# Altium PCB UmTRXv2.PcbDoc (part 16 of 25)
Units mm, origin at the board's own origin, x right, y up, seen from the top; angles counter-clockwise.
Board outline 159.5 x 99.5 mm, 6 copper layers (Top Layer, GND, MidLayer1, Mid-Layer 2, InternalPlane2, Bottom Layer), stack 1.526 mm thick; 708 components, 578 nets, 2802 pads, 1408 vias.
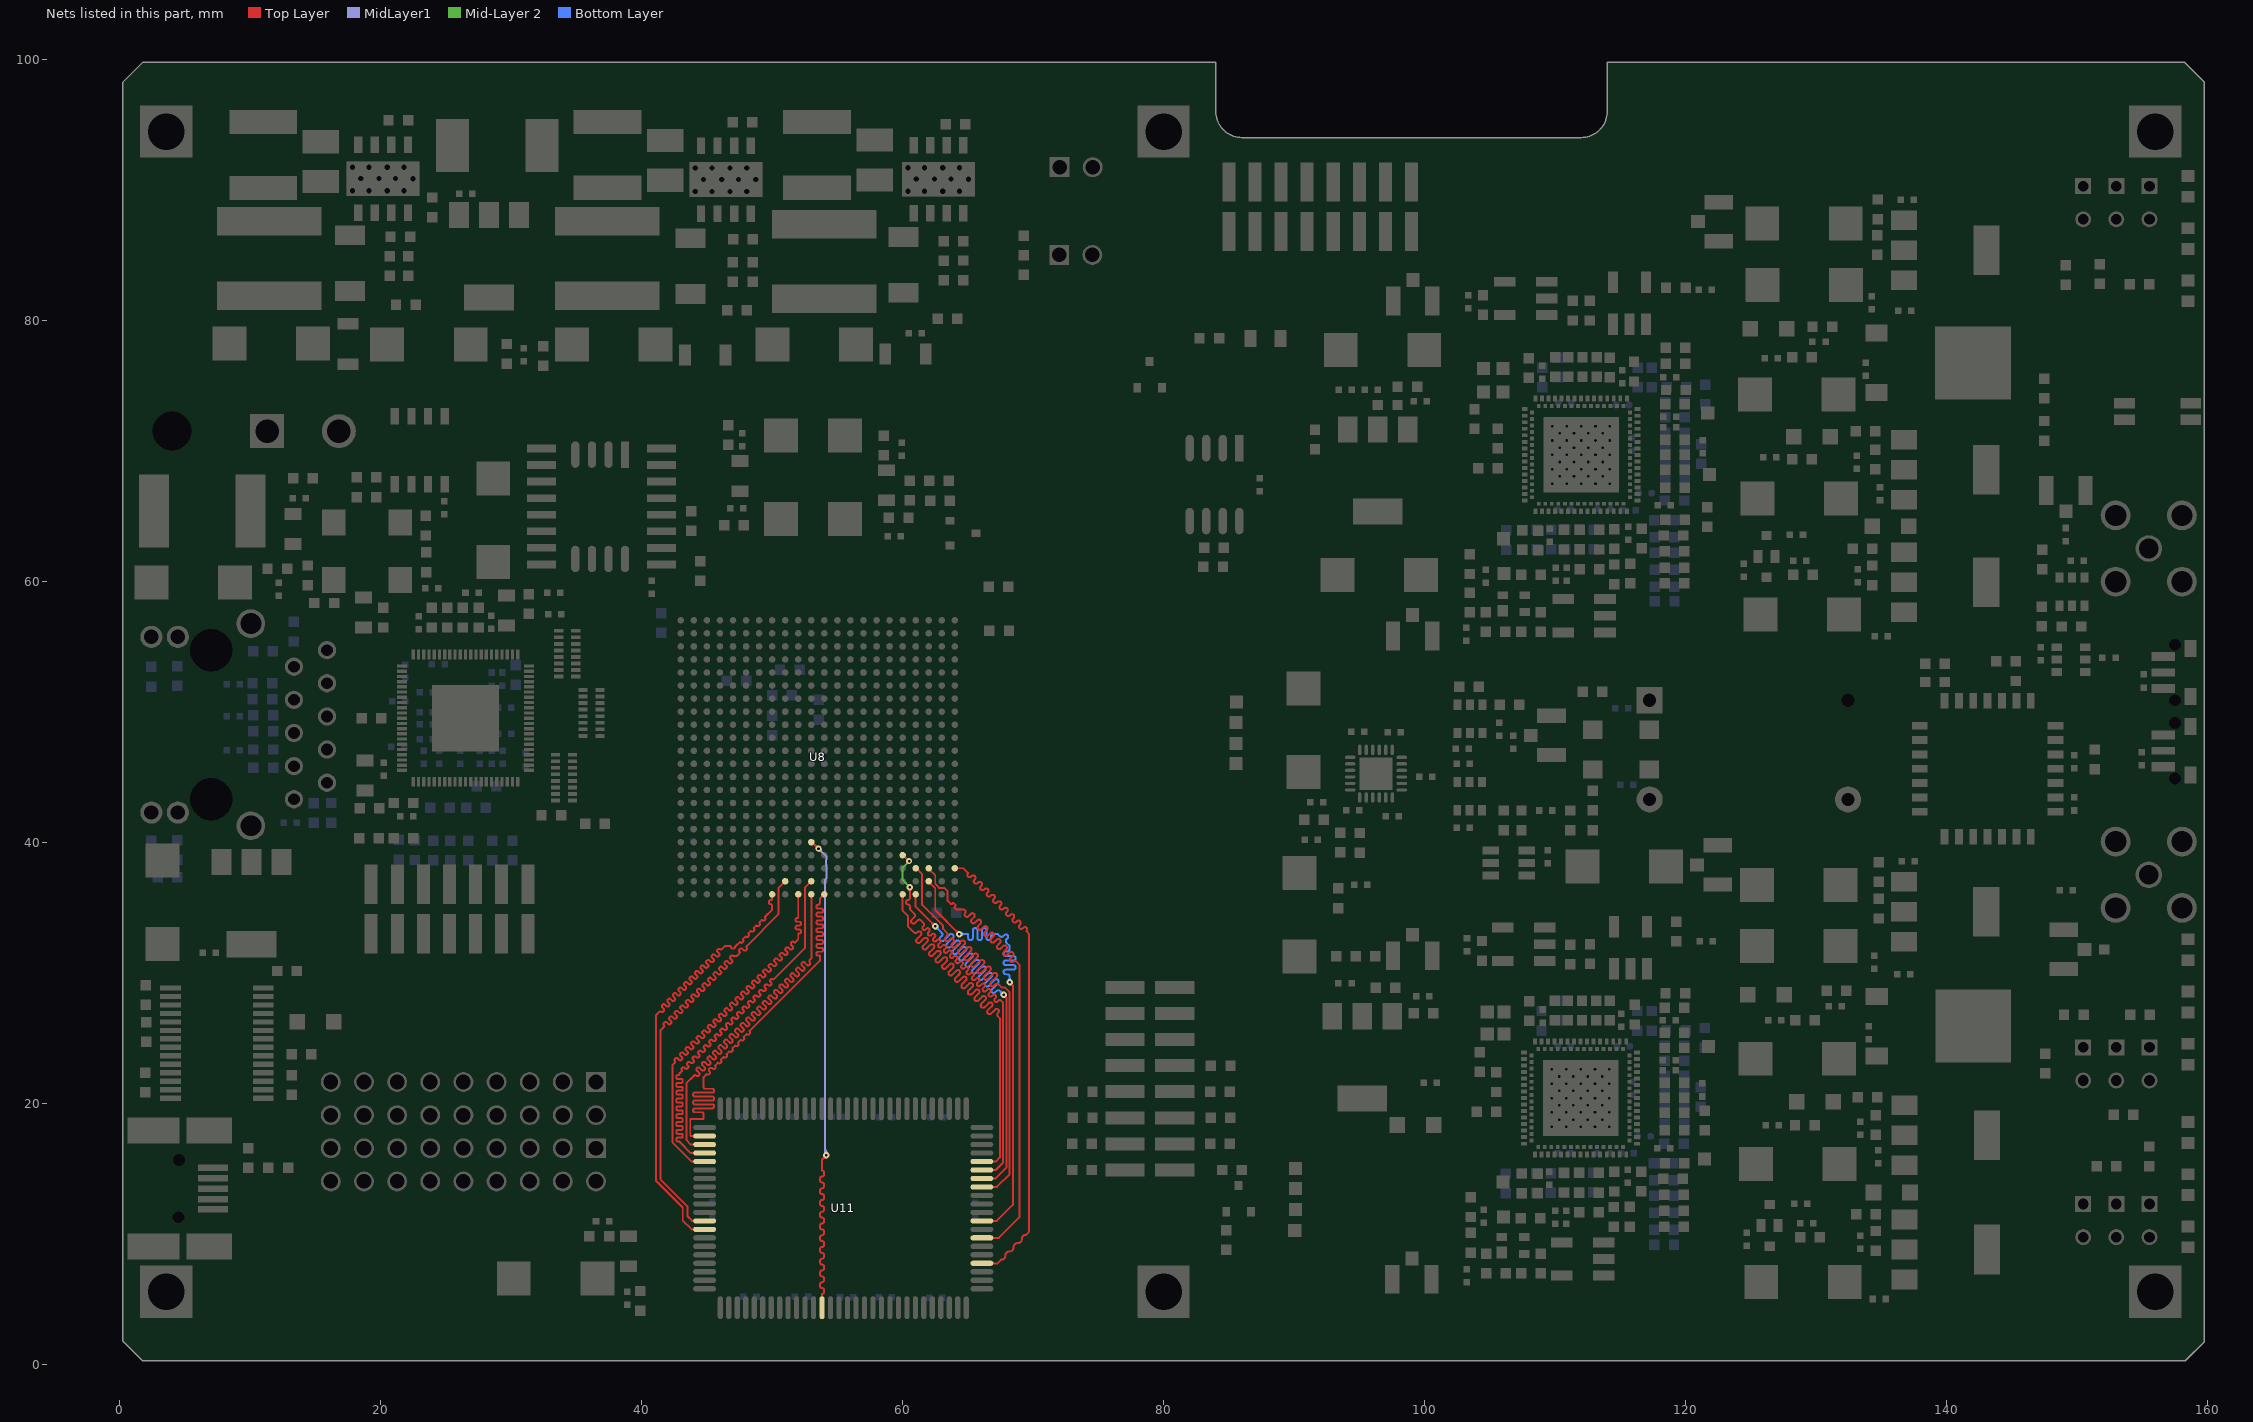
[diagram p20: the nets of this part, all layers, seen from the top]

## Via types
v1: diameter 0.5, hole 0.2, Top Layer to Bottom Layer, tented both sides, 441 vias
v2: diameter 0.45, hole 0.2, Top Layer to Bottom Layer, tented both sides, 429 vias
v3: diameter 0.7, hole 0.3, Top Layer to Bottom Layer, tented both sides, 258 vias
v4: diameter 0.4, hole 0.2, Top Layer to Bottom Layer, tented both sides, 197 vias
v5: diameter 0.8, hole 0.3, Top Layer to Bottom Layer, tented both sides, 61 vias
v6: diameter 0.6, hole 0.25, Top Layer to Bottom Layer, tented both sides, 16 vias
v7: diameter 0.6, hole 0.3, Top Layer to Bottom Layer, tented both sides, 4 vias
v8: diameter 1, hole 0.5, Top Layer to Bottom Layer, tented both sides, 2 vias

## Nets (pads, with @x,y where several pads share a name; then routed paths per layer and width w, separated by ;. In a path a pad name is that pad's centre, name@x,y a point inside that pad or via, vN(x,y) a via of type N, cw(c..) or ccw(c..) an arc to the next point about the centre after c; other vN are vias at no path point) (continued)
RAM_A14: U8.A13 U11.35 | length 39.9
  Top Layer w0.15: 42.549,23.382 ccw(c42.634,23.297) 42.549,23.213 cw(c42.493,23.156) 42.549,23.099 42.35,22.9 42.35,17 43.825,15.525 U11.35@44.825,15.525 ; 42.549,23.382 42.592,23.425 cw(c42.677,23.34) 42.761,23.425 42.818,23.368 42.875,23.312 ccw(c42.96,23.396) 43.044,23.311 43.087,23.354 ccw(c43.002,23.439) 43.087,23.524 42.974,23.637 ; 42.974,23.637 cw(c43.059,23.722) 42.974,23.806 ; 42.974,23.807 43.016,23.849 cw(c43.101,23.764) 43.186,23.849 43.242,23.792 43.299,23.736 ccw(c43.384,23.821) 43.469,23.736 43.511,23.778 ccw(c43.426,23.863) 43.511,23.948 43.455,24.005 43.398,24.061 cw(c43.483,24.146) 43.398,24.231 ; 43.398,24.231 43.44,24.273 cw(c43.525,24.188) 43.61,24.273 43.667,24.217 43.723,24.16 ccw(c43.808,24.245) 43.893,24.16 43.935,24.203 ccw(c43.851,24.287) 43.935,24.372 43.879,24.429 43.822,24.485 cw(c43.907,24.57) 43.822,24.655 43.865,24.698 cw(c43.95,24.613) 44.034,24.698 44.091,24.641 44.148,24.584 ccw(c44.232,24.669) 44.317,24.584 44.36,24.627 ; 44.36,24.627 ccw(c44.275,24.712) 44.36,24.797 44.303,24.853 44.247,24.91 cw(c44.331,24.995) 44.246,25.079 44.289,25.122 cw(c44.374,25.037) 44.459,25.122 44.515,25.065 44.572,25.009 ccw(c44.657,25.094) 44.741,25.009 44.784,25.051 ; 44.784,25.051 ccw(c44.699,25.136) 44.784,25.221 44.671,25.334 cw(c44.756,25.419) 44.671,25.504 44.713,25.546 cw(c44.798,25.461) 44.883,25.546 44.94,25.49 44.996,25.433 ccw(c45.081,25.518) 45.166,25.433 ; 45.166,25.433 45.208,25.475 ccw(c45.123,25.56) 45.208,25.645 45.152,25.702 45.095,25.758 cw(c45.18,25.843) 45.095,25.928 45.137,25.97 cw(c45.222,25.885) 45.307,25.97 45.364,25.914 45.42,25.857 ccw(c45.505,25.942) 45.59,25.857 ; 45.59,25.857 45.632,25.9 ccw(c45.548,25.984) 45.633,26.069 45.576,26.126 45.519,26.182 cw(c45.604,26.267) 45.519,26.352 45.562,26.395 cw(c45.647,26.31) 45.731,26.395 45.788,26.338 45.845,26.281 ccw(c45.929,26.366) 46.014,26.281 46.057,26.324 ccw(c45.972,26.409) 46.057,26.494 46,26.55 45.944,26.607 cw(c46.028,26.692) 45.943,26.776 45.986,26.819 ; 45.986,26.819 cw(c46.071,26.734) 46.156,26.819 46.212,26.762 46.269,26.706 ccw(c46.354,26.791) 46.438,26.706 46.481,26.748 ccw(c46.396,26.833) 46.481,26.918 46.424,26.974 46.368,27.031 cw(c46.453,27.116) 46.368,27.201 46.41,27.243 ; 46.41,27.243 cw(c46.495,27.158) 46.58,27.243 46.637,27.187 46.693,27.13 ccw(c46.778,27.215) 46.863,27.13 46.905,27.172 ccw(c46.82,27.257) 46.905,27.342 46.849,27.399 46.792,27.455 cw(c46.877,27.54) 46.792,27.625 46.835,27.667 cw(c46.919,27.583) 47.004,27.667 47.061,27.611 47.117,27.554 ccw(c47.202,27.639) 47.287,27.554 47.33,27.597 ccw(c47.245,27.682) 47.33,27.766 ; 47.33,27.766 47.273,27.823 47.216,27.88 cw(c47.301,27.964) 47.216,28.049 47.259,28.092 cw(c47.344,28.007) 47.428,28.092 47.542,27.979 ; 47.542,27.978 ccw(c47.627,28.063) 47.711,27.978 ; 47.711,27.979 47.754,28.021 ccw(c47.669,28.106) 47.754,28.191 47.697,28.247 47.641,28.304 cw(c47.726,28.389) 47.64,28.473 47.683,28.516 cw(c47.768,28.431) 47.853,28.516 47.909,28.459 47.966,28.403 ccw(c48.051,28.488) 48.135,28.403 ; 48.136,28.403 48.178,28.445 ; 48.178,28.445 ccw(c48.093,28.53) 48.178,28.615 48.121,28.671 48.065,28.728 cw(c48.15,28.813) 48.065,28.898 48.107,28.94 cw(c48.192,28.855) 48.277,28.94 48.334,28.884 48.39,28.827 ccw(c48.475,28.912) 48.56,28.827 48.602,28.869 ; 48.602,28.87 ccw(c48.517,28.954) 48.602,29.039 48.546,29.096 48.489,29.152 cw(c48.574,29.237) 48.489,29.322 48.532,29.364 cw(c48.616,29.28) 48.701,29.364 48.758,29.308 48.814,29.251 ccw(c48.899,29.336) 48.984,29.251 49.027,29.294 ccw(c48.942,29.379) 49.027,29.463 48.97,29.52 48.913,29.577 cw(c48.998,29.661) 48.913,29.746 48.956,29.789 cw(c49.041,29.704) 49.125,29.789 49.239,29.676 ccw(c49.324,29.76) 49.408,29.675 49.451,29.718 ccw(c49.366,29.803) 49.451,29.888 49.394,29.944 49.338,30.001 ; 49.338,30.001 cw(c49.423,30.086) 49.338,30.171 49.38,30.213 cw(c49.465,30.128) 49.55,30.213 49.606,30.156 49.663,30.1 ccw(c49.748,30.185) 49.833,30.1 49.875,30.142 ccw(c49.79,30.227) 49.875,30.312 49.819,30.369 49.762,30.425 cw(c49.847,30.51) 49.762,30.595 ; 49.762,30.595 49.804,30.637 cw(c49.889,30.552) 49.974,30.637 ; 49.974,30.637 50.031,30.581 50.087,30.524 ccw(c50.172,30.609) 50.257,30.524 50.299,30.567 ccw(c50.215,30.651) 50.299,30.736 50.243,30.793 50.186,30.849 cw(c50.271,30.934) 50.186,31.019 50.229,31.062 cw(c50.314,30.977) 50.398,31.062 50.455,31.005 50.512,30.948 ccw(c50.596,31.033) 50.681,30.948 50.724,30.991 ; 50.724,30.991 ccw(c50.639,31.076) 50.724,31.16 50.667,31.217 50.61,31.274 cw(c50.695,31.358) 50.61,31.443 50.653,31.486 cw(c50.738,31.401) 50.823,31.486 50.879,31.429 50.936,31.373 ccw(c51.021,31.457) 51.105,31.372 51.148,31.415 ; 51.148,31.415 ccw(c51.063,31.5) 51.148,31.585 51.091,31.641 51.035,31.698 cw(c51.12,31.783) 51.035,31.868 51.077,31.91 cw(c51.162,31.825) 51.247,31.91 51.303,31.853 51.36,31.797 ccw(c51.445,31.882) 51.53,31.797 ; 51.53,31.797 51.572,31.839 ccw(c51.487,31.924) 51.572,32.009 51.516,32.066 51.459,32.122 cw(c51.544,32.207) 51.459,32.292 51.501,32.334 cw(c51.586,32.249) 51.671,32.334 ccw(c51.728,32.391) 51.784,32.334 52,32.55 52,32.92 cw(c52.08,32.92) 52.08,33 ccw(c52.08,33.12) 52.2,33.12 52.2,33.18 ccw(c52.08,33.18) 52.08,33.3 51.92,33.3 cw(c51.92,33.42) 51.8,33.42 51.8,33.48 cw(c51.92,33.48) 51.92,33.6 52.08,33.6 ccw(c52.08,33.72) 52.2,33.72 52.2,33.78 ccw(c52.08,33.78) 52.08,33.9 51.92,33.9 cw(c51.92,34.02) 51.8,34.02 51.8,34.08 cw(c51.92,34.08) 51.92,34.2 51.95,34.2 ccw(c51.95,34.25) 52,34.25 U8.A13@52,36
RAM_A15: U8.B12 U11.34 | length 39.6
  Top Layer w0.15: 43.552,22.709 43.509,22.667 cw(c43.424,22.752) 43.339,22.667 43.297,22.709 ccw(c43.212,22.625) 43.127,22.709 43.085,22.667 ccw(c43.17,22.582) 43.085,22.497 cw(c43.064,22.476) 43.085,22.455 42.9,22.27 cw(c42.78,22.27) 42.78,22.15 42.77,22.15 ccw(c42.77,22.03) 42.65,22.03 42.65,21.97 ccw(c42.77,21.97) 42.77,21.85 43.03,21.85 cw(c43.03,21.73) 43.15,21.73 43.15,21.67 cw(c43.03,21.67) 43.03,21.55 42.77,21.55 ccw(c42.77,21.43) 42.65,21.43 42.65,21.37 ccw(c42.77,21.37) 42.77,21.25 43.03,21.25 cw(c43.03,21.13) 43.15,21.13 43.15,21.07 cw(c43.03,21.07) 43.03,20.95 42.77,20.95 ccw(c42.77,20.83) 42.65,20.83 42.65,20.77 ccw(c42.77,20.77) 42.77,20.65 43.03,20.65 cw(c43.03,20.53) 43.15,20.53 43.15,20.47 cw(c43.03,20.47) 43.03,20.35 42.77,20.35 ccw(c42.77,20.23) 42.65,20.23 42.65,20.17 ccw(c42.77,20.17) 42.77,20.05 43.03,20.05 cw(c43.03,19.93) 43.15,19.93 43.15,19.87 cw(c43.03,19.87) 43.03,19.75 42.77,19.75 ccw(c42.77,19.63) 42.65,19.63 42.65,19.57 ccw(c42.77,19.57) 42.77,19.45 43.03,19.45 cw(c43.03,19.33) 43.15,19.33 43.15,19.27 cw(c43.03,19.27) 43.03,19.15 42.77,19.15 ccw(c42.77,19.03) 42.65,19.03 42.65,18.97 ccw(c42.77,18.97) 42.77,18.85 43.03,18.85 cw(c43.03,18.73) 43.15,18.73 43.15,18.67 cw(c43.03,18.67) 43.03,18.55 42.77,18.55 ccw(c42.77,18.43) 42.65,18.43 42.65,18.37 ccw(c42.77,18.37) 42.77,18.25 43.03,18.25 cw(c43.03,18.13) 43.15,18.13 43.15,18.07 cw(c43.03,18.07) 43.03,17.95 42.77,17.95 ccw(c42.77,17.83) 42.65,17.83 42.65,17.77 ccw(c42.77,17.77) 42.77,17.65 43.03,17.65 cw(c43.03,17.53) 43.15,17.53 43.15,17.47 cw(c43.03,17.47) 43.03,17.35 42.77,17.35 ccw(c42.77,17.23) 42.65,17.23 42.65,17.17 ccw(c42.77,17.17) 42.77,17.05 42.9,17.05 43.775,16.175 U11.34@44.825,16.175 ; 43.552,23.134 43.509,23.091 ccw(c43.594,23.006) 43.509,22.922 43.552,22.879 cw(c43.467,22.794) 43.552,22.71 ; 43.552,23.134 cw(c43.636,23.049) 43.721,23.134 43.764,23.091 ccw(c43.849,23.176) 43.933,23.091 43.976,23.134 ccw(c43.891,23.219) 43.976,23.303 43.933,23.346 cw(c44.018,23.431) 43.933,23.515 43.976,23.558 cw(c44.061,23.473) 44.145,23.558 44.188,23.515 ccw(c44.273,23.6) 44.357,23.515 44.4,23.558 ccw(c44.315,23.643) 44.4,23.727 44.379,23.749 44.358,23.77 cw(c44.442,23.855) 44.358,23.94 44.4,23.982 cw(c44.485,23.897) 44.57,23.982 44.612,23.94 ccw(c44.697,24.025) 44.782,23.94 44.824,23.982 ccw(c44.739,24.067) 44.824,24.152 44.782,24.194 cw(c44.867,24.279) 44.782,24.364 44.824,24.406 cw(c44.909,24.322) 44.994,24.406 45.036,24.364 ccw(c45.121,24.449) 45.206,24.364 45.249,24.406 ccw(c45.164,24.491) 45.249,24.576 ; 45.206,24.788 ccw(c45.291,24.703) 45.206,24.619 45.249,24.576 ; 45.206,24.788 45.249,24.831 cw(c45.333,24.746) 45.418,24.831 45.461,24.788 ccw(c45.546,24.873) 45.63,24.788 45.673,24.831 ccw(c45.588,24.916) 45.673,25 45.63,25.043 cw(c45.715,25.128) 45.63,25.212 45.673,25.255 cw(c45.758,25.17) 45.843,25.255 45.885,25.213 ccw(c45.97,25.297) 46.055,25.212 ; 46.055,25.213 46.097,25.255 ccw(c46.012,25.34) 46.097,25.425 46.076,25.446 46.055,25.467 cw(c46.14,25.552) 46.055,25.637 46.097,25.679 cw(c46.182,25.594) 46.267,25.679 46.309,25.637 ccw(c46.394,25.722) 46.479,25.637 46.521,25.679 ccw(c46.437,25.764) 46.521,25.849 46.479,25.891 cw(c46.564,25.976) 46.479,26.061 ; 46.479,26.061 46.521,26.104 cw(c46.606,26.019) 46.691,26.104 46.734,26.061 ccw(c46.818,26.146) 46.903,26.061 ; 46.903,26.485 ccw(c46.988,26.4) 46.903,26.316 46.946,26.273 cw(c46.861,26.188) 46.946,26.103 46.903,26.061 ; 46.903,26.485 46.946,26.528 cw(c47.03,26.443) 47.115,26.528 47.158,26.485 ccw(c47.243,26.57) 47.327,26.485 47.37,26.528 ccw(c47.285,26.613) 47.37,26.697 47.327,26.74 cw(c47.412,26.825) 47.327,26.909 47.37,26.952 cw(c47.455,26.867) 47.54,26.952 47.582,26.91 ccw(c47.667,26.994) 47.752,26.909 47.794,26.952 ccw(c47.709,27.037) 47.794,27.122 47.752,27.164 cw(c47.837,27.249) 47.752,27.334 47.794,27.376 cw(c47.879,27.291) 47.964,27.376 48.006,27.334 ccw(c48.091,27.419) 48.176,27.334 48.218,27.376 ccw(c48.134,27.461) 48.218,27.546 48.176,27.588 cw(c48.261,27.673) 48.176,27.758 48.218,27.801 ; 48.219,27.801 cw(c48.303,27.716) 48.388,27.801 48.431,27.758 ccw(c48.515,27.843) 48.6,27.758 48.643,27.801 ; 48.643,27.801 ccw(c48.558,27.885) 48.643,27.97 48.6,28.013 cw(c48.685,28.098) 48.6,28.182 48.643,28.225 cw(c48.728,28.14) 48.812,28.225 ; 48.812,28.225 48.834,28.204 48.855,28.182 ccw(c48.94,28.267) 49.025,28.182 49.067,28.225 ; 49.067,28.225 ccw(c48.982,28.31) 49.067,28.395 49.025,28.437 cw(c49.109,28.522) 49.024,28.607 49.067,28.649 cw(c49.152,28.564) 49.237,28.649 49.279,28.607 ccw(c49.364,28.692) 49.449,28.607 49.491,28.649 ccw(c49.406,28.734) 49.491,28.819 49.449,28.861 cw(c49.534,28.946) 49.449,29.031 49.491,29.073 cw(c49.576,28.988) 49.661,29.074 49.703,29.031 ccw(c49.788,29.116) 49.873,29.031 49.915,29.073 ; 49.915,29.498 49.873,29.455 ccw(c49.958,29.37) 49.873,29.285 49.915,29.243 cw(c49.831,29.158) 49.916,29.073 ; 49.916,29.498 cw(c50,29.413) 50.085,29.498 ccw(c50.106,29.519) 50.128,29.498 52.5,31.87 52.5,36.5 U8.B12@53,37
RAM_A16: U8.A12 U11.33 | length 40.5
  Top Layer w0.15: 44.358,22.104 cw(c44.273,22.189) 44.188,22.105 44.181,22.112 ccw(c44.097,22.027) 44.012,22.112 43.421,21.521 43.421,17.179 43.775,16.825 U11.33@44.825,16.825 ; 44.358,22.105 44.401,22.147 ccw(c44.316,22.232) 44.401,22.317 44.309,22.409 44.217,22.501 cw(c44.302,22.585) 44.217,22.67 44.259,22.713 cw(c44.344,22.628) 44.429,22.713 44.613,22.529 ccw(c44.698,22.614) 44.782,22.529 44.825,22.571 ccw(c44.74,22.656) 44.825,22.741 44.641,22.925 cw(c44.726,23.01) 44.641,23.094 44.683,23.137 cw(c44.768,23.052) 44.853,23.137 45.037,22.953 ccw(c45.122,23.038) 45.207,22.953 ; 45.108,23.561 45.065,23.519 ccw(c45.15,23.434) 45.065,23.349 45.249,23.165 ; 45.108,23.561 cw(c45.193,23.476) 45.277,23.561 ; 45.207,22.953 45.249,22.996 ccw(c45.164,23.08) 45.249,23.165 ; 45.277,23.561 45.369,23.469 45.461,23.377 ; 45.461,23.377 ccw(c45.546,23.462) 45.631,23.377 45.673,23.42 ccw(c45.589,23.505) 45.673,23.59 45.49,23.773 ; 45.489,23.774 cw(c45.574,23.858) 45.49,23.943 45.532,23.986 cw(c45.617,23.901) 45.702,23.986 ; 45.702,23.986 45.886,23.802 ccw(c45.97,23.887) 46.055,23.802 46.098,23.844 ccw(c46.013,23.929) 46.098,24.014 46.006,24.106 45.914,24.198 ; 45.914,24.198 cw(c45.999,24.283) 45.914,24.367 ; 45.914,24.367 45.956,24.41 cw(c46.041,24.325) 46.126,24.41 ; 46.126,24.41 46.31,24.226 ccw(c46.395,24.311) 46.479,24.226 46.522,24.268 ccw(c46.437,24.353) 46.522,24.438 46.43,24.53 46.338,24.622 ; 46.338,24.622 cw(c46.423,24.707) 46.338,24.792 46.38,24.834 cw(c46.465,24.749) 46.55,24.834 46.734,24.65 ccw(c46.819,24.735) 46.904,24.65 46.946,24.693 ccw(c46.861,24.777) 46.946,24.862 ; 46.946,24.862 46.762,25.046 cw(c46.847,25.131) 46.762,25.216 46.805,25.258 cw(c46.89,25.173) 46.974,25.258 47.066,25.166 47.158,25.074 ; 47.158,25.074 ccw(c47.243,25.159) 47.328,25.074 47.37,25.117 ; 47.371,25.117 ccw(c47.286,25.202) 47.37,25.287 47.187,25.47 cw(c47.271,25.555) 47.187,25.64 47.229,25.683 cw(c47.314,25.598) 47.399,25.683 47.583,25.499 ccw(c47.667,25.584) 47.752,25.499 47.795,25.541 ccw(c47.71,25.626) 47.795,25.711 47.703,25.803 47.611,25.895 cw(c47.696,25.98) 47.611,26.064 47.653,26.107 cw(c47.738,26.022) 47.823,26.107 48.007,25.923 ccw(c48.092,26.008) 48.177,25.923 48.219,25.965 ; 48.219,25.966 ccw(c48.134,26.05) 48.219,26.135 48.127,26.227 48.035,26.319 cw(c48.12,26.404) 48.035,26.489 48.078,26.531 cw(c48.162,26.446) 48.247,26.531 48.431,26.347 ccw(c48.516,26.432) 48.601,26.347 48.643,26.39 ccw(c48.558,26.475) 48.643,26.559 48.459,26.743 cw(c48.544,26.828) 48.459,26.913 ; 48.459,26.913 48.502,26.955 cw(c48.587,26.871) 48.671,26.956 48.763,26.863 48.855,26.772 ccw(c48.94,26.856) 49.025,26.771 49.067,26.814 ccw(c48.983,26.899) 49.068,26.983 48.884,27.167 cw(c48.968,27.252) 48.884,27.337 48.926,27.38 cw(c49.011,27.295) 49.096,27.38 49.28,27.196 ccw(c49.364,27.281) 49.449,27.196 49.492,27.238 ccw(c49.407,27.323) 49.492,27.408 49.308,27.592 cw(c49.393,27.677) 49.308,27.761 49.35,27.804 cw(c49.435,27.719) 49.52,27.804 49.704,27.62 ccw(c49.789,27.705) 49.874,27.62 49.916,27.662 ccw(c49.831,27.747) 49.916,27.832 49.824,27.924 49.732,28.016 cw(c49.817,28.101) 49.732,28.186 49.775,28.228 cw(c49.859,28.143) 49.944,28.228 50.128,28.044 ccw(c50.213,28.129) 50.298,28.044 50.34,28.087 ccw(c50.255,28.172) 50.34,28.256 50.156,28.44 cw(c50.241,28.525) 50.156,28.61 50.199,28.652 cw(c50.284,28.568) 50.368,28.653 50.46,28.56 50.552,28.469 ccw(c50.637,28.553) 50.722,28.468 ; 50.722,28.469 50.765,28.511 ccw(c50.68,28.596) 50.765,28.681 50.581,28.865 cw(c50.666,28.949) 50.581,29.034 50.623,29.077 cw(c50.708,28.992) 50.793,29.077 50.885,28.985 50.977,28.893 ccw(c51.062,28.978) 51.146,28.893 51.189,28.935 ccw(c51.104,29.02) 51.189,29.105 51.005,29.289 cw(c51.09,29.374) 51.005,29.458 51.047,29.501 cw(c51.132,29.416) 51.217,29.501 51.401,29.317 ccw(c51.486,29.402) 51.57,29.317 ; 51.571,29.317 51.613,29.36 ccw(c51.528,29.444) 51.613,29.529 ; 51.613,29.529 51.521,29.621 51.429,29.713 cw(c51.514,29.798) 51.429,29.883 51.472,29.925 cw(c51.556,29.84) 51.641,29.925 51.825,29.741 ; 51.825,29.741 ccw(c51.91,29.826) 51.995,29.741 52.037,29.784 ccw(c51.952,29.869) 52.037,29.953 51.853,30.137 cw(c51.938,30.222) 51.853,30.307 51.896,30.349 ; 51.896,30.35 cw(c51.981,30.265) 52.066,30.349 52.249,30.166 ccw(c52.334,30.25) 52.419,30.165 52.462,30.208 ccw(c52.377,30.293) 52.462,30.378 52.278,30.562 ; 52.278,30.562 cw(c52.363,30.646) 52.278,30.731 52.32,30.774 cw(c52.405,30.689) 52.49,30.774 ; 52.49,30.774 52.582,30.682 52.674,30.59 ccw(c52.759,30.675) 52.843,30.59 52.886,30.632 ccw(c52.801,30.717) 52.886,30.802 52.879,30.809 cw(c52.964,30.894) 52.879,30.979 53,31.1 U8.A12@53,36
RAM_A17: U8.A11 U11.32 | length 40
  Top Layer w0.15: U11.32@44.825,17.475 43.775,17.475 43.725,17.525 43.725,18.8 44.75,18.8 44.75,19.18 ccw(c44.63,19.18) 44.63,19.3 44.07,19.3 cw(c44.07,19.42) 43.95,19.42 43.95,19.48 cw(c44.07,19.48) 44.07,19.6 45.43,19.6 ccw(c45.43,19.72) 45.55,19.72 45.55,19.78 ccw(c45.43,19.78) 45.43,19.9 44.07,19.9 cw(c44.07,20.02) 43.95,20.02 43.95,20.08 cw(c44.07,20.08) 44.07,20.2 45.43,20.2 ccw(c45.43,20.32) 45.55,20.32 45.55,20.38 ccw(c45.43,20.38) 45.43,20.5 44.07,20.5 cw(c44.07,20.62) 43.95,20.62 43.95,20.68 cw(c44.07,20.68) 44.07,20.8 45.43,20.8 ccw(c45.43,20.92) 45.55,20.92 45.55,20.98 ccw(c45.43,20.98) 45.43,21.1 44.87,21.1 cw(c44.87,21.22) 44.75,21.22 44.75,22 44.969,22.219 ccw(c45.079,22.329) 45.188,22.438 cw(c45.301,22.545) 45.408,22.658 ccw(c45.517,22.767) 45.627,22.877 45.846,23.096 ccw(c45.956,23.206) 46.065,23.315 46.284,23.534 ccw(c46.394,23.644) 46.504,23.754 46.723,23.973 ccw(c46.832,24.082) 46.942,24.192 47.161,24.411 ccw(c47.271,24.521) 47.38,24.63 47.6,24.85 ccw(c47.709,24.959) 47.819,25.069 48.038,25.288 ccw(c48.148,25.398) 48.257,25.507 53.65,30.9 53.65,31.3 53.52,31.3 cw(c53.52,31.42) 53.4,31.42 53.4,31.48 cw(c53.52,31.48) 53.52,31.6 53.78,31.6 ccw(c53.78,31.72) 53.9,31.72 53.9,31.78 ccw(c53.78,31.78) 53.78,31.9 53.52,31.9 cw(c53.52,32.02) 53.4,32.02 53.4,32.08 cw(c53.52,32.08) 53.52,32.2 53.78,32.2 ccw(c53.78,32.32) 53.9,32.32 53.9,32.38 ccw(c53.78,32.38) 53.78,32.5 53.52,32.5 cw(c53.52,32.62) 53.4,32.62 53.4,32.68 cw(c53.52,32.68) 53.52,32.8 53.78,32.8 ccw(c53.78,32.92) 53.9,32.92 53.9,32.98 ccw(c53.78,32.98) 53.78,33.1 53.52,33.1 cw(c53.52,33.22) 53.4,33.22 53.4,33.28 cw(c53.52,33.28) 53.52,33.4 53.78,33.4 ccw(c53.78,33.52) 53.9,33.52 53.9,33.58 ccw(c53.78,33.58) 53.78,33.7 53.52,33.7 cw(c53.52,33.82) 53.4,33.82 53.4,33.88 cw(c53.52,33.88) 53.52,34 53.78,34 ccw(c53.78,34.12) 53.9,34.12 53.9,34.18 ccw(c53.78,34.18) 53.78,34.3 53.52,34.3 cw(c53.52,34.42) 53.4,34.42 53.4,34.48 cw(c53.52,34.48) 53.52,34.6 53.78,34.6 ccw(c53.78,34.72) 53.9,34.72 53.9,34.78 ccw(c53.78,34.78) 53.78,34.9 53.52,34.9 cw(c53.52,35.02) 53.4,35.02 53.4,35.08 cw(c53.52,35.08) 53.52,35.2 53.53,35.2 ccw(c53.53,35.32) 53.65,35.32 53.65,35.65 U8.A11@54,36
RAM_A18: U8.C1 U11.84 | length 40
  Top Layer w0.15: U8.C1@64,38 64.65,38 65.004,37.646 cw(c64.986,37.629) 65.004,37.611 ccw(c65.127,37.487) 65.004,37.364 ccw(c65.127,37.487) 65.251,37.364 65.286,37.399 cw(c65.41,37.275) 65.534,37.399 cw(c65.41,37.275) 65.534,37.151 65.499,37.116 ccw(c65.622,36.992) 65.499,36.869 ccw(c65.622,36.992) 65.746,36.869 65.764,36.886 65.781,36.904 cw(c65.905,36.78) 66.029,36.904 cw(c65.905,36.78) 66.029,36.657 66.011,36.639 65.993,36.621 ccw(c66.117,36.497) 65.993,36.374 ccw(c66.117,36.497) 66.241,36.374 66.276,36.409 cw(c66.4,36.285) 66.524,36.409 cw(c66.4,36.285) 66.524,36.162 66.488,36.126 ccw(c66.612,36.002) 66.488,35.879 ccw(c66.612,36.002) 66.736,35.879 66.771,35.914 cw(c66.895,35.79) 67.019,35.914 cw(c66.895,35.79) 67.019,35.667 67.001,35.649 66.983,35.631 ccw(c67.107,35.507) 66.983,35.384 ccw(c67.107,35.507) 67.231,35.384 67.249,35.401 67.266,35.419 cw(c67.39,35.295) 67.514,35.419 cw(c67.39,35.295) 67.514,35.172 67.478,35.136 ccw(c67.602,35.012) 67.478,34.889 ccw(c67.602,35.012) 67.726,34.889 67.761,34.924 cw(c67.885,34.8) 68.009,34.924 cw(c67.885,34.8) 68.009,34.677 67.991,34.659 67.973,34.641 ccw(c68.097,34.518) 67.973,34.394 ccw(c68.097,34.518) 68.221,34.394 68.239,34.411 68.256,34.429 cw(c68.38,34.305) 68.504,34.429 cw(c68.38,34.305) 68.504,34.182 68.468,34.146 ccw(c68.592,34.023) 68.468,33.899 ccw(c68.592,34.023) 68.716,33.899 68.751,33.934 cw(c68.875,33.81) 68.999,33.934 cw(c68.875,33.81) 68.999,33.687 68.963,33.651 ccw(c69.087,33.528) 68.963,33.404 ccw(c69.087,33.528) 69.211,33.404 69.229,33.421 69.246,33.439 cw(c69.37,33.315) 69.494,33.439 cw(c69.37,33.315) 69.494,33.192 ccw(c69.511,33.174) 69.494,33.156 69.7,32.95 69.7,10.15 69.459,9.909 ccw(c69.444,9.606) 69.141,9.591 cw(c68.838,9.576) 68.823,9.273 ccw(c68.807,8.97) 68.505,8.955 cw(c68.202,8.939) 68.186,8.636 ccw(c68.171,8.334) 67.868,8.318 cw(c67.565,8.303) 67.55,8 67.275,7.725 U11.84@66.075,7.725